# Altium PCB PCB1.PcbDoc (part 2 of 2)
Units mm, origin at the board's own origin, x right, y up, seen from the top; angles counter-clockwise.
Board outline 42.3 x 42.3 mm, 4 copper layers (Top Layer, GND, Int2 (PWR), Bottom Layer), stack 1.333 mm thick; 115 components, 83 nets, 434 pads, 150 vias.
Unrouted connection lines stored in the file: 19.
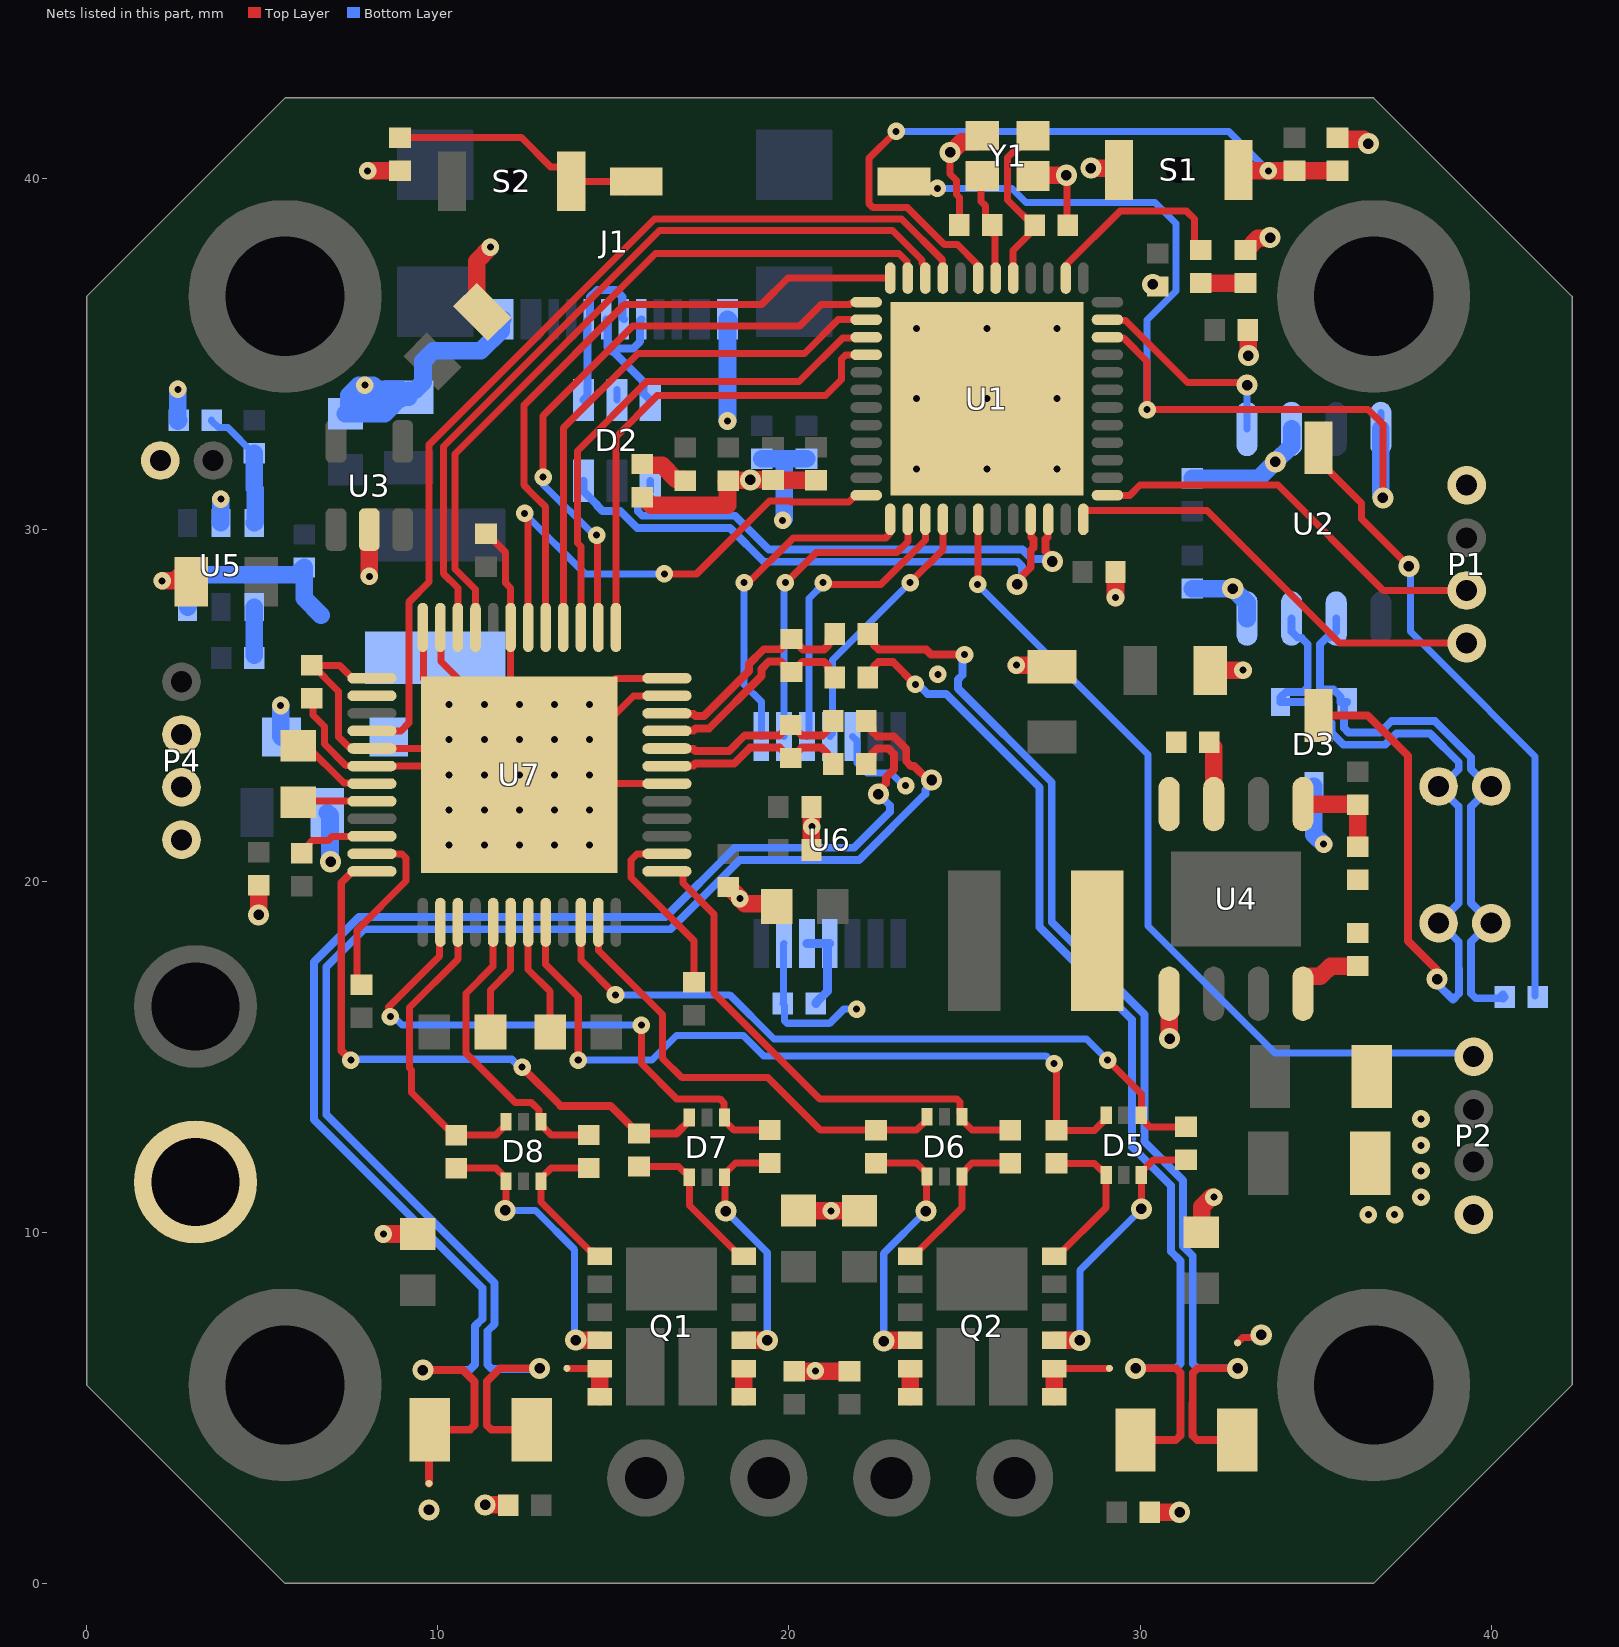
[diagram p4: the nets of this part, all layers, seen from the top]

## Via types
v1: diameter 0.5/0.5 (per signal layer), hole 0.2, Top Layer to Bottom Layer, 97 vias
v2: diameter 0.6/0.6 (per signal layer), hole 0.3, Top Layer to Bottom Layer, 43 vias
v3: diameter 0.5, hole 0.2, Top Layer to Bottom Layer, 8 vias
v4: diameter 0.65/0.65 (per signal layer), hole 0.65, Top Layer to Bottom Layer, 2 vias

## Nets (pads, with @x,y where several pads share a name; then routed paths per layer and width w, separated by ;. In a path a pad name is that pad's centre, name@x,y a point inside that pad or via, vN(x,y) a via of type N, cw(c..) or ccw(c..) an arc to the next point about the centre after c; other vN are vias at no path point) (continued)
BUCK1_FB: R12.1 R13.2 U5.3 | length 3.6
  Bottom Layer w0.2: R13.2@3.561,33.125 3.561,33.105 3.751,32.915 4.02,32.915 4.755,32.18 R12.1@4.775,32.18
  Bottom Layer w0.5: U5.3@4.775,30.2 4.8,30.225 4.8,31.159 4.775,31.183 4.775,32.14 R12.1@4.775,32.18
BUCK1_SHDN: R8.1 U5.4 | length 1.4
  Bottom Layer w0.5: R8.1@4.775,26.425 U5.4@4.775,27.8
BUCK1_SW: C19.1 D4.1 L2.1 U5.6 | length 5.7
  Bottom Layer w0.5: U5.6@2.875,27.8 2.9,27.825 2.9,28.428 3.197,28.725 5.975,28.725 6.14,28.89 6.16,28.89 C19.1@6.2,28.93 6.2,28.725 6.2,28.05 6.675,27.575
BUCK2_BOOT: C20.2 U4.7 | length 1.8
  Top Layer w0.5: C20.2@31.97,23.956 31.97,23.936 32.098,23.808 U4.7@32.098,22.192
BUCK2_FB: R10.1 R11.2 U4.5 | length 2.8
  Top Layer w0.5: U4.5@34.638,22.192 34.646,22.184 36.19,22.184 R10.1@36.197,22.177 R11.2@36.197,20.973
BUCK2_SW: C20.1 L1.1 U4.8
CA1: C36.1 U7.42 | length 3.4
  Top Layer w0.2: C36.1@11.537,15.663 C36.1@11.5,15.7 11.5,16.9 12.074,17.474 U7.42@12.074,18.825
CA2: C34.1 U7.35 | length 5.2
  Top Layer w0.2: C34.1@7.7,17.07 7.7,18.6 9.1,20 9.1,20.658 8.983,20.775 U7.35@8.124,20.775
CAN_FD_RX: SW2.2 U1.46 U2.4 | length 28.1
  Top Layer w0.2: SW2.2@23.274,39.917 23.466,39.725 v1(24.225,39.725) ; U1.46@29.071,35.486 29.09,35.467 29.533,35.467 30.2,34.8 v1(30.2,33.425) 36.495,33.425 36.912,33.008 v2(36.912,30.912)
  Bottom Layer w0.2: v1(24.225,39.725) 26.35,39.725 26.749,39.326 30.426,39.326 31.025,38.728 31.025,36.805 30.2,35.98 v1(30.2,33.425) ; U2.4@36.855,32.875 U2.4@36.855,33.35
  Bottom Layer w0.5: U2.4@36.855,32.875 36.855,30.968 v2(36.912,30.912)
CAN_FD_TX: U1.47 U2.1 | length 6
  Top Layer w0.2: U1.47@29.071,35.986 29.09,35.967 29.583,35.967 31.348,34.202 32.973,34.202 v2(33.05,34.125)
  Bottom Layer w0.2: U2.1@33.045,32.875 33.045,33.394 33.048,33.396 33.048,34.123 v2(33.05,34.125)
CAN_N: D3.2 J2.2 J3.2 R7.1 U2.6 | length 17.2
  Bottom Layer w0.225: U2.6@35.585,27.475 35.585,27.102 35.412,26.928 35.308,26.928 35.125,26.745 35.125,26.414 35.125,25.45 35.507,25.45 35.713,25.245 35.713,25.1 D3.2@35.9,25.1 35.806,25.006 35.806,24.362 35.938,24.231 36.832,24.231 37.154,24.553 38.397,24.553 39.425,23.525 39.425,23.187 39.919,22.694 J2.2@40,22.694 39.425,22.119 39.425,20.572 39.425,19.375 J3.2@40,18.8 39.954,18.8 39.425,18.271 39.425,17.643 39.428,17.64 39.428,16.794 39.559,16.663 40.223,16.663 40.33,16.77 40.33,16.65 R7.1@40.38,16.7
CAN_P: D3.1 J2.1 J3.1 SW1.1 U2.7 | length 28.1
  Top Layer w0.225: SW1.1@35.075,24.715 36.481,24.715 37.631,23.565 37.631,18.29 38.456,17.465 v2(38.456,17.207)
  Bottom Layer w0.225: U2.7@34.315,27.475 34.315,27.102 34.488,26.928 34.592,26.928 34.775,26.745 34.775,26.559 34.775,25.519 34.643,25.388 34.162,25.388 34,25.225 D3.1@34,25.1 35.362,25.1 35.362,24.591 35.456,24.498 35.456,24.218 35.793,23.881 36.977,23.881 37.299,24.203 38.253,24.203 39.075,23.38 39.075,23.187 38.581,22.694 J2.1@38.5,22.694 39.075,22.119 39.075,20.717 39.075,19.375 J3.1@38.5,18.8 38.546,18.8 39.075,18.271 39.075,17.498 39.077,17.495 39.077,16.794 38.908,16.625 38.5,17.033 v2@38.5,17.267
CB1: C33.1 U7.2 | length 5.3
  Top Layer w0.2: U7.2@16.524,20.775 15.675,20.775 15.5,20.6 15.5,20.1 17.3,18.3 C33.1@17.3,17.135
CB2: C35.1 U7.43 | length 3.7
  Top Layer w0.2: U7.43@12.574,18.825 12.574,17.487 13.2,16.861 C35.1@13.2,15.7 13.174,15.674 13.2,15.649 13.1,15.549 C35.1@13.2,15.449
CPI: C31.2 U7.32 | length 2.2
  Top Layer w0.2: C31.2@5.754,22.386 C31.2@5.94,22.2 ; C31.2@6.22,22.251 6.244,22.275 U7.32@8.124,22.275
CPO: C31.1 U7.31 | length 2.3
  Top Layer w0.2: C31.1@6.22,23.851 6.27,23.851 7.327,22.794 8.105,22.794 U7.31@8.124,22.775
D_N: D2.1 D2.6 J1.A7 J1.B7 U1.33 | length 21.1
  Top Layer w0.225: v2(26.5,28.45) 26.5,28.549 26.888,28.937 26.888,29.419 26.961,29.492 26.961,29.736 26.9,29.797 26.9,30.286 U1.33@26.886,30.301
  Bottom Layer w0.225: D2.6@14.15,31.4 14.15,31.1 14.532,30.718 14.532,30.697 14.691,30.537 15.198,30.537 15.681,30.054 18.321,30.054 19.282,29.093 26.507,29.093 26.639,28.961 26.639,28.69 26.5,28.551 v2(26.5,28.45) ; D2.1@14.15,33.7 14.263,33.813 14.263,35.963 J1.B7@14.3,36 14.337,36.037 14.337,36.634 14.541,36.838 15.059,36.838 15.263,36.634 15.263,36.037 J1.A7@15.3,36
D_P: D2.3 D2.4 J1.A6 J1.B6 U1.34 | length 19.3
  Top Layer w0.225: U1.34@27.386,30.301 27.371,30.286 27.371,29.797 27.311,29.736 27.311,29.391 27.5,29.201 v2(27.5,29.1)
  Bottom Layer w0.225: J1.A6@14.8,36 14.837,35.963 14.837,35.366 ; 14.964,35.086 14.837,35.212 14.837,35.366 ; 14.977,35.098 15.863,34.212 15.863,33.887 D2.3@16.05,33.7 ; J1.B6@15.8,36 15.763,35.963 15.763,35.366 15.559,35.162 15.041,35.162 14.914,35.289 14.837,35.366 ; D2.4@16.05,31.4 16.05,31.1 15.694,30.744 15.694,30.536 15.826,30.404 18.466,30.404 19.427,29.443 26.652,29.443 26.923,29.172 27.428,29.172 v2(27.5,29.1)
DIAG0: U7.26
ENC_A: P4.1
ENC_B: P4.2 | length 0.3
  Top Layer w0.2: P4.2@2.703,22.675 P4.2@2.703,22.928
ENC_CS: U1.25 U6.1 | length 9.7
  Top Layer w0.2: v1(18.725,28.5) 18.85,28.5 20.125,29.775 22.758,29.775 22.875,29.892 22.875,30.29 U1.25@22.886,30.301
  Bottom Layer w0.2: v1(18.725,28.5) 18.725,25.6 19.213,25.112 U6.1@19.213,24.12
ENC_I: P4.3
ENC_MISO: U1.27 U6.3 | length 8.6
  Top Layer w0.2: v1(20.976,28.5) 21.025,28.451 22.624,28.451 23.886,29.714 U1.27@23.886,30.301
  Bottom Layer w0.2: U6.3@20.513,24.12 20.569,24.176 20.569,28.044 20.976,28.451 v1(20.976,28.5)
ENC_MOSI: U1.28 U6.4 | length 7.5
  Top Layer w0.2: v1(23.45,28.5) 24.386,29.436 U1.28@24.386,30.301
  Bottom Layer w0.2: U6.4@21.163,24.12 21.243,24.199 21.243,26.293 v1(23.45,28.5)
ENC_SCK: U1.26 U6.2 | length 9
  Top Layer w0.2: v1(19.9,28.5) 19.925,28.5 20.775,29.35 23.063,29.35 23.386,29.673 U1.26@23.386,30.301
  Bottom Layer w0.2: U6.2@19.863,24.12 19.863,28.438 19.9,28.475 v1(19.9,28.5)
FAN_PWM: P2.1 U1.30 | length 24.4
  Top Layer w0.2: v1(25.375,28.45) 25.386,28.461 U1.30@25.386,30.301
  Bottom Layer w0.2: v1(25.375,28.45) 30.225,23.6 30.225,18.722 33.847,15.1 P2.1@39.525,15.1
G1: D5.1 Q2.1 R21.2 | length 4.6
  Top Layer w0.2: Q2.1@27.55,9.318 27.65,9.318 29.036,10.703 D5.1@29.036,11.629 29.036,11.719 28.976,11.779 28.886,11.779 28.706,11.959 R21.2@27.62,11.959
G1_2: D7.1 Q1.1 R17.2 | length 4.6
  Top Layer w0.2: R17.2@15.729,11.873 16.86,11.873 17.015,11.718 17.105,11.718 17.165,11.658 D7.1@17.165,11.568 17.165,10.76 18.607,9.318 Q1.1@18.707,9.318
G2: D5.3 Q2.4 R16.2 | length 7.7
  Top Layer w0.2: v2(30.036,10.664) D5.3@30.036,11.629 30.036,11.719 30.376,12.059 R16.2@31.311,12.059
  Top Layer w0.5: Q2.4@27.55,6.918 v2(28.282,6.918) v2@28.3,6.9
  Bottom Layer w0.2: v2(28.282,6.918) 28.282,8.911 v2(30.036,10.664)
G2_2: D7.3 Q1.4 R20.2 | length 7.4
  Top Layer w0.2: v2(18.2,10.6) 18.182,10.618 18.182,11.55 D7.3@18.165,11.568 18.165,11.658 18.48,11.973 R20.2@19.454,11.973
  Top Layer w0.5: Q1.4@18.707,6.918 v2(19.382,6.918) v2@19.4,6.9
  Bottom Layer w0.2: v2(18.2,10.6) 19.382,9.418 v2(19.382,6.918)
G3: D6.1 Q2.9 R22.2 | length 7.6
  Top Layer w0.2: R22.2@22.478,11.967 23.638,11.967 D6.1@23.928,11.677 ; v2(23.9,10.6) 23.914,10.614 23.914,11.573 D6.1@23.928,11.587 D6.1@23.928,11.497
  Top Layer w0.5: v2(22.7,6.9) 22.718,6.918 Q2.9@23.45,6.918
  Bottom Layer w0.2: v2(22.7,6.9) 22.7,9.4 v2(23.9,10.6)
G3_2: D8.1 Q1.9 R19.2 | length 8.2
  Top Layer w0.2: R19.2@10.525,11.823 11.658,11.823 11.94,11.54 D8.1@11.94,11.45 11.94,10.64 v2(11.92,10.62) v2@11.9,10.6
  Top Layer w0.5: v2(13.93,6.93) 13.942,6.918 Q1.9@14.607,6.918
  Bottom Layer w0.2: v2(11.92,10.62) 12.78,10.62 13.9,9.5 13.9,6.959 v2(13.93,6.93)
G4: D6.3 Q2.12 R23.2 | length 4.5
  Top Layer w0.2: Q2.12@23.45,9.318 23.55,9.318 24.928,10.696 D6.3@24.928,11.587 24.928,11.677 25.218,11.967 R23.2@26.303,11.967
G4_2: D8.3 Q1.12 R18.2 | length 4.3
  Top Layer w0.2: D8.3@12.94,11.45 12.94,10.86 14.332,9.468 14.457,9.468 Q1.12@14.607,9.318 ; D8.3@12.94,11.54 13.223,11.823 R18.2@14.205,11.823
GND: C1.1 C2.2 C3.2 C4.1 C5.1 C6.1 C7.1 C8.1 C9.1 C10.2 C11.1 C12.2 C13.1 C14.2 C15.2 C16.2 C17.2 C18.2 C21.2 C22.2 C23.2 C24.2 C25.2 C26.1 C27.1 C27.2 C28.1 C29.1 C30.1 C39.2 C40.2 C41.1 C42.1 C43.1 C44.1 C45.1 C46.1 C47.1 D2.2 D3.3 D4.2 J1.A1B12 J1.A12B1 J4.2 J5.2 LD1.2 LD2.2 NT3.2 NT4.2 P1.1 P2.4 R2.2 R9.1 R11.1 R13.1 R15.2 S1.2 U1.0 U2.2 U2.8 U3.2 U4.1 U5.2 U6.5 U6.13 U7.6 U7.11 U7.12 U7.19 U7.23 U7.24 U7.25 U7.29 U7.30 U7.49 Y1.2 Y1.4 | length 103.7
  Top Layer w0.2: v1@2.093,28.493 v1(2.15,28.55) ; C27.1@6.41,25.205 6.446,25.169 6.446,24.732 6.775,24.404 6.775,23.9 7.381,23.294 8.105,23.294 U7.30@8.124,23.275 10.074,23.275 v1(10.324,23.025) ; C27.2@6.41,26.145 C27.2@6.43,26.145 ; U7.25@8.124,25.775 7.574,25.775 7.204,26.145 C27.2@6.43,26.145 ; U7.24@9.574,27.225 9.593,27.206 9.593,26.485 9.599,26.479 9.599,25.75 v1(10.324,25.025) ; U7.23@10.074,27.225 10.093,27.206 10.093,26.256 v1(11.324,25.025) ; v1(10.324,24.025) 10.074,23.775 7.547,23.775 7.497,23.825 7.459,23.825 7.174,24.109 7.174,25.401 C27.2@6.43,26.145 ; C30.1@11.5,29.79 11.935,29.355 11.935,28.49 12.074,28.351 U7.19@12.074,27.225 12.074,25.275 v1(12.324,25.025) ; v1(14.324,23.025) 14.574,22.775 U7.6@16.524,22.775 ; v1(14.324,24.025) 15.574,25.275 U7.11@16.524,25.275 ; v1(14.324,25.025) 15.074,25.775 U7.12@16.524,25.775 ; v2(24.592,40.75) 24.592,40.136 24.775,39.953 24.775,39.546 24.853,39.468 C2.2@24.853,38.686 ; v2(27.9,40.1) 27.922,40.078 27.922,38.697 C3.2@27.945,38.675 ; NT4.2@32.775,6.85 32.923,6.998 33.373,6.998 v2(33.45,7.075)
  Top Layer w0.5: v1(2.15,28.55) 2.51,28.55 2.73,28.77 C14.2@2.975,28.525 ; v2(4.9,19.039) C39.2@4.9,19.88 ; v1(8,40.225) 8.92,40.225 R2.2@8.925,40.23 ; v1(8.05,28.675) U3.2@8.05,30.009 ; v1(8.45,9.95) C43.1@9.429,9.95 ; C18.2@11.264,36.207 11.105,36.366 11.105,37.655 v1(11.5,38.05) ; v2(11.349,2.238) 11.992,2.238 C45.1@12.005,2.225 ; C10.2@18.215,31.365 18.255,31.405 C10.2@18.275,31.405 ; C29.1@18.275,19.83 18.295,19.83 18.6,19.525 v1(18.6,19.5) 18.743,19.357 19.568,19.357 R15.2@19.65,19.275 ; C47.1@20.15,6.044 C44.1@21.725,6.044 ; C42.1@20.4,10.6 20.406,10.606 v3(21.202,10.606) 21.998,10.606 C41.1@22.004,10.613 ; C25.2@20.641,20.886 C28.1@20.641,22.11 ; C9.1@20.772,31.411 20.716,31.411 20.712,31.416 19.552,31.416 C12.2@19.547,31.421 19.545,31.423 18.902,31.423 v2(18.9,31.425) 18.89,31.415 18.285,31.415 C10.2@18.275,31.405 ; v2(24.592,40.75) 24.619,40.75 24.919,41.05 25.325,41.05 Y1.2@25.5,41.225 ; v1(26.475,26.15) 27.459,26.15 27.5,26.109 C23.2@27.496,26.104 ; Y1.4@26.95,40.075 26.975,40.1 v2(27.9,40.1) ; v2(28.6,40.3) 29.349,40.3 S1.2@29.399,40.25 ; v1(29.3,28.075) C5.1@29.3,28.8 ; C46.1@30.27,2.025 v2(31.125,2.025) ; v2(30.361,36.99) 30.406,36.945 30.485,36.945 C4.1@30.5,36.93 ; v2@30.825,15.5 30.828,15.503 U4.1@30.828,16.792 ; C40.2@31.74,10 31.75,10.01 31.75,10.725 32.025,11 v1(32.1,11) ; C21.2@32,26 32.009,26.009 v1(32.93,26.009) ; LD1.2@33,37.97 33.02,37.97 33.356,38.306 33.681,38.306 v2(33.7,38.325) ; C7.1@33.07,35.691 C7.1@33.085,35.676 ; v2(33.085,34.965) C7.1@33.085,35.676 ; C7.1@33.11,35.651 C7.1@33.085,35.676 ; C1.1@35.624,41.17 35.664,41.13 36.37,41.13 v2(36.5,41) ; LD2.2@15.886,30.895 16.081,30.7 18.25,30.7 18.25,31.38 C10.2@18.275,31.405 ; LD2.2@15.886,30.895 15.846,30.935 LD2.2@15.826,30.935 15.866,30.895 LD2.2@15.886,30.895
  Bottom Layer w0.2: D2.2@15.1,33.7 D2.2@15.1,34 ; U6.13@19.863,18.22 19.845,18.202 19.845,16.529 C26.1@19.828,16.511 19.878,16.461 19.878,16.018 19.945,15.951 21.161,15.951 21.56,16.35 v1(21.925,16.35) ; U6.5@21.813,24.12 21.938,23.995 21.938,23.366 22.23,23.075 22.902,23.075 23.259,22.717 v1(23.322,22.717)
  Bottom Layer w0.5: R13.1@2.595,33.099 R13.1@2.621,33.125 2.6,33.146 v1(2.6,34) ; U5.2@3.825,30.2 3.8,30.225 3.825,30.25 v1(3.825,30.875) ; v1(5.525,25) 5.525,24.127 D4.2@5.55,24.102 ; C16.2@6.85,21.948 6.931,21.867 6.931,20.569 v2(6.95,20.55) ; C24.2@7.475,33.457 7.492,33.457 7.925,33.89 v1(7.925,34.125) ; C22.2@8.925,33.725 C22.2@8.975,33.775 ; J1.A1B12@11.85,36 11.8,35.95 11.8,35.675 11.225,35.1 9.871,35.1 9.579,34.807 9.579,34.2 9.354,33.975 9.175,33.975 C22.2@9.075,33.875 ; v1(18.251,33.102) J1.A12B1@18.25,36 J1.A12B1@18.3,35.95 ; C11.1@19.225,32.03 19.863,32.03 ; v1(19.819,30.269) 19.863,30.313 19.863,32.03 ; C13.1@20.5,32.03 19.863,32.03 ; C8.1@31.486,28.33 v2(32.638,28.33) 33.045,27.923 U2.8@33.045,27.475 ; C6.1@31.486,31.47 33.385,31.47 v2(33.85,31.935) 34.315,32.4 U2.2@34.315,32.875 ; D3.3@34.95,22.7 34.95,21.325 v1(35.225,21.05) ; C24.2@7.421,33.311 8.486,33.311 C22.2@8.95,33.775 ; C24.2@7.421,33.311 7.885,33.775 C22.2@8.95,33.775 ; C24.2@7.421,33.311 C24.2@7.371,33.311 7.461,33.401 7.461,33.832 7.753,34.125 v1(7.925,34.125) ; v1(7.925,34.125) 8.161,34.125 8.286,34 ; v1(7.925,34.125) 8.05,34 8.286,34 ; 8.286,34 8.95,34 C22.2@9.075,33.875 ; C22.2@8.95,33.775 9.05,33.875 C22.2@9.075,33.875 ; C22.2@8.95,33.775 C22.2@8.975,33.775 ; C22.2@8.975,33.775 C22.2@9.075,33.875 ; C22.2@8.975,33.775 C22.2@9.175,33.775 C22.2@9.075,33.875
  other v1: 20.75,6.05 10.324,21.025 11.324,21.025 12.324,21.025 13.324,21.025 14.324,21.025 20.65,21.55 10.324,22.025 11.324,22.025 12.324,22.025 13.324,22.025 14.324,22.025 11.324,23.025 12.324,23.025 13.324,23.025 11.324,24.025 12.324,24.025 13.324,24.025 13.324,25.025 24.238,25.887
  other v2: 9.75,2.096 30.838,15.513
  other v3: 36.5,10.5 37.25,10.5 38,11 38,11.75 38,12.475 38,13.225
HA1: D8.4 R18.1 U7.41 | length 8.6
  Top Layer w0.2: U7.41@11.574,18.825 11.574,17.574 10.8,16.8 10.8,15.096 12.196,13.7 12.656,13.7 12.88,13.476 12.88,13.21 D8.4@12.94,13.15 12.94,13.06 13.238,12.763 R18.1@14.205,12.763
HA2: D7.6 R17.1 U7.36 | length 16.9
  Top Layer w0.225: v1(7.525,14.9) 7.253,15.172 7.253,19.953 7.55,20.251 8.1,20.251 U7.36@8.124,20.275 ; v1(12.4,14.7) 13.5,13.6 14.922,13.6 15.709,12.813 R17.1@15.729,12.813 16.8,12.813 17.165,13.178 D7.6@17.165,13.268
  Bottom Layer w0.225: v1(7.525,14.9) 7.55,14.925 12.106,14.925 12.331,14.7 v1(12.4,14.7)
HB1: D6.4 R23.1 U7.1 | length 14.6
  Top Layer w0.2: U7.1@16.524,20.275 16.934,20.275 16.98,20.229 16.98,19.945 17.86,19.065 17.86,16.815 20.888,13.787 24.791,13.787 24.868,13.71 24.868,13.347 D6.4@24.928,13.287 24.928,13.197 25.218,12.907 R23.1@26.303,12.907
HB2: D5.6 R21.1 U7.44 | length 22.1
  Top Layer w0.2: U7.44@13.074,18.825 13.074,17.626 14,16.7 v1(14,14.9) ; v1(27.55,14.8) 27.62,14.73 R21.1@27.62,12.899 28.696,12.899 29.036,13.239 D5.6@29.036,13.329
  Bottom Layer w0.2: v1(14,14.9) 16.1,14.9 16.8,15.6 18.7,15.6 19.275,15.025 27.325,15.025 v1(27.55,14.8)
LA1: D8.6 R19.1 U7.39 | length 8.8
  Top Layer w0.2: U7.39@10.574,18.825 10.574,17.774 9.2,16.4 9.2,14.674 9.25,14.624 9.25,13.976 10.464,12.763 R19.1@10.525,12.763 11.643,12.763 11.94,13.06 D8.6@11.94,13.15
LA2: D7.4 R20.1 U7.38 | length 16.4
  Top Layer w0.2: v1(8.65,16.139) 8.6,16.189 8.6,16.407 10.055,17.862 10.055,18.806 U7.38@10.074,18.825 ; v1(15.8,15.9) 15.8,14.8 16.8,13.8 18.028,13.8 18.145,13.683 18.145,13.287 D7.4@18.165,13.268 18.165,13.178 18.43,12.913 R20.1@19.454,12.913
  Bottom Layer w0.2: v1(8.65,16.139) 8.742,16.139 8.981,15.9 v1(15.8,15.9)
LB1: D6.6 R22.1 U7.47 | length 13.2
  Top Layer w0.2: U7.47@14.574,18.825 14.574,18.026 16.4,16.2 16.4,14.951 16.951,14.4 19.4,14.4 20.893,12.907 R22.1@22.478,12.907 23.638,12.907 23.928,13.197 D6.6@23.928,13.287
LB2: D5.4 R16.1 U7.46 | length 20.7
  Top Layer w0.2: U7.46@14.074,18.825 14.074,17.748 v1(15.061,16.761) ; v1(29.075,14.9) 30.036,13.939 D5.4@30.036,13.329 30.036,13.239 30.276,12.999 R16.1@31.311,12.999
  Bottom Layer w0.2: v1(15.061,16.761) 18.314,16.761 19.575,15.5 28.475,15.5 v1(29.075,14.9)
LED: R6.2 U1.2 | length 5.7
  Top Layer w0.2: U1.2@27.886,37.171 27.905,37.19 27.905,37.556 29.424,39.075 31.325,39.075 31.55,38.85 31.55,38.144 R6.2@31.724,37.97
NetC26_2: C26.2 U6.11 U6.12 | length 2.5
  Bottom Layer w0.25: U6.12@20.513,18.22 U6.11@21.163,18.22 21.1,18.157 21.1,16.863 20.767,16.531 C26.2@20.767,16.511
NetLD1_1: LD1.1 R6.1 | length 1.3
  Top Layer w0.5: R6.1@31.724,37.03 LD1.1@33,37.03
NetLD2_1: LD2.1 R5.2 | length 1.4
  Top Layer w0.5: LD2.1@15.826,31.875 15.866,31.835 16.39,31.835 16.78,31.445 17.01,31.445 R5.2@17.05,31.405
NetNT1_2: NT1.2 Q1.5 Q1.6 Q1.7 Q1.8 | length 2.5
  Top Layer w0.2: NT1.2@13.7,6.125 14.6,6.125 Q1.8@14.607,6.118
  Top Layer w0.5: Q1.7@14.607,5.318 Q1.8@14.607,6.118 ; Q1.6@18.707,5.318 Q1.5@18.707,6.118
NetNT2_2: NT2.2 Q2.5 Q2.6 Q2.7 Q2.8 | length 3.2
  Top Layer w0.2: Q2.5@27.55,6.118 27.557,6.125 NT2.2@29.125,6.125
  Top Layer w0.5: Q2.7@23.45,5.318 Q2.8@23.45,6.118 ; Q2.6@27.55,5.318 Q2.5@27.55,6.118
NetR7_2: R7.2 SW1.2 | length 18.2
  Top Layer w0.2: SW1.2@35.075,32.335 35.075,31.985 36.312,30.748 36.312,30.309 v2(37.656,28.965)
  Bottom Layer w0.2: v2@37.7,29.025 37.7,27.102 38.324,26.479 38.664,26.138 41.25,23.552 R7.2@41.25,16.73
NetR9_2: R9.2 U4.4 | length 2.1
  Top Layer w0.5: U4.4@34.638,16.792 34.638,17.24 34.684,17.286 35.132,17.286 35.426,17.58 R9.2@36.197,17.58
NRST: C1.2 R1.1 S1.1 U1.7 | length 20.3
  Top Layer w0.2: v1(23.05,41.35) 22.274,40.574 22.274,39.292 22.391,39.175 23.375,39.175 24.424,38.126 24.796,38.126 25.336,37.586 25.336,37.548 25.386,37.498 U1.7@25.386,37.171
  Top Layer w0.5: S1.1@32.799,40.25 32.82,40.229 R1.1@34.4,40.229 C1.2@35.488,40.229
  Bottom Layer w0.2: v1(23.05,41.35) 32.525,41.35 v1(33.65,40.225)
O_IN: C3.1 U1.5 Y1.1 | length 5
  Top Layer w0.2: U1.5@26.386,37.171 26.386,37.961 27.005,38.58 27.005,38.6 27.005,38.62 26.225,39.4 26.225,40.604 26.371,40.75 26.425,40.75 26.9,41.225 Y1.1@26.95,41.225
O_OUT: C2.1 U1.6 Y1.3 | length 3.1
  Top Layer w0.2: Y1.3@25.472,40.047 25.472,39.35 25.603,39.219 25.603,38.876 C2.1@25.793,38.686 25.867,38.613 25.867,37.19 U1.6@25.886,37.171
  Top Layer w0.5: Y1.3@25.472,40.047 Y1.3@25.5,40.075 ; C2.1@25.768,38.611 C2.1@25.796,38.638
PB8_BOOT0: R2.1 S2.2 SW2.1 | length 8.4
  Top Layer w0.2: R2.1@8.925,41.17 12.38,41.17 13.217,40.333 13.5,40.333 13.8,40.033 S2.2@13.8,39.925 ; S2.2@14.1,39.342 13.8,39.642 S2.2@13.8,39.925 ; SW2.1@15.354,39.617 SW2.1@15.654,39.917 13.808,39.917 S2.2@13.8,39.925
SD_MODE: U1.11 U7.21 | length 21
  Top Layer w0.2: U7.21@11.074,27.225 11.074,28.302 10.49,28.886 10.49,32.165 16.196,37.871 23.139,37.871 23.367,37.643 23.367,37.19 U1.11@23.386,37.171
SPI_MODE: U1.10 U7.22 | length 22.4
  Top Layer w0.2: U7.22@10.574,27.225 10.574,28.343 10.165,28.752 10.165,32.38 16.31,38.525 22.944,38.525 23.786,37.683 23.786,37.598 23.886,37.498 U1.10@23.886,37.171
SRAH_N: C38.1 NT3.1 R27.1 R27.2 R29.1 U7.7 | length 47.6
  Top Layer w0.225: v2(9.575,6.075) 10.721,6.075 11.046,5.75 11.046,4.507 10.914,4.375 R29.1@9.771,4.375 9.75,4.354 NT3.1@9.75,2.846 ; U7.7@16.524,23.275 16.539,23.289 17.278,23.289 17.339,23.35 18.439,23.35 18.889,23.8 19.735,23.8 20.03,23.505 C38.1@20.05,23.505 20.07,23.505 20.365,23.8 20.927,23.8 21.087,23.64 21.087,23.512 R27.1@21.265,23.334 ; R27.2@22.205,23.334 22.382,23.512 22.382,23.64 22.514,23.772 22.832,23.772 22.99,23.614 22.99,23.181 22.759,22.95 22.759,22.786 22.55,22.576 v2(22.55,22.475)
  Bottom Layer w0.225: v2(9.575,6.075) 10.906,6.075 11.063,6.232 11.063,7.327 11.269,7.534 11.269,8.411 6.475,13.205 6.475,17.695 7.758,18.978 16.483,18.978 18.455,20.95 21.855,20.95 22.874,21.969 22.874,22.156 22.555,22.475 v2(22.55,22.475) v2@22.622,22.403
SRAH_P: C38.2 NT1.1 R26.1 R26.2 R29.2 U7.8 | length 46.7
  Top Layer w0.225: 12.587,6.125 11.771,6.125 11.396,5.75 11.396,4.507 11.528,4.375 R29.2@12.671,4.375 ; U7.8@16.524,23.775 16.539,23.761 17.278,23.761 17.339,23.7 18.294,23.7 18.744,24.15 19.735,24.15 20.03,24.445 C38.2@20.05,24.445 20.07,24.445 20.365,24.15 20.956,24.15 21.087,24.282 21.087,24.382 R26.1@21.265,24.559 ; R26.2@22.205,24.559 22.382,24.382 22.382,24.254 22.514,24.122 22.977,24.122 23.34,23.759 23.34,23.412 23.472,23.28 23.563,23.28 23.965,22.878 v2(24.062,22.878)
  Bottom Layer w0.225: v2(12.9,6.125) 12.875,6.1 11.544,6.1 11.413,6.232 11.413,7.182 11.619,7.389 11.619,8.556 6.825,13.35 6.825,17.55 7.903,18.628 16.628,18.628 18.6,20.6 22,20.6 23.884,22.484 23.884,22.598 24.062,22.776 v2(24.062,22.878)
SRBH_N: C37.1 NT4.1 R25.1 R25.2 R28.1 U7.10 | length 38.1
  Top Layer w0.225: U7.10@16.524,24.775 16.539,24.761 17.278,24.761 17.339,24.7 17.583,24.7 18.866,25.983 18.866,26.183 19.283,26.6 19.76,26.6 20.055,26.895 C37.1@20.075,26.895 20.095,26.895 20.398,26.592 20.996,26.592 21.127,26.724 21.127,26.857 R25.1@21.305,27.034 ; R25.2@22.245,27.034 22.422,26.857 22.422,26.724 22.554,26.592 23.9,26.592 24.043,26.45 v1(25,26.45) ; R28.1@32.771,4.079 31.628,4.079 31.496,4.211 31.496,5.13 31.5,5.134 31.5,5.993 31.632,6.125 v2(32.775,6.125)
  Bottom Layer w0.225: v1(25,26.45) 24.947,26.397 24.947,25.873 24.815,25.741 24.815,25.482 27.483,22.814 27.483,18.837 30.122,16.197 30.122,12.578 31.225,11.475 31.225,9.6 31.5,9.325 31.5,6.257 31.632,6.125 v2(32.775,6.125)
SRBH_P: C37.2 NT2.1 R24.1 R24.2 R28.2 U7.9 | length 36.7
  Top Layer w0.225: U7.9@16.524,24.275 16.539,24.289 17.278,24.289 17.339,24.35 17.728,24.35 19.216,25.838 19.216,26.038 19.427,26.25 19.76,26.25 20.055,25.955 C37.2@20.075,25.955 20.095,25.955 20.382,26.242 20.996,26.242 21.127,26.11 21.127,25.977 R24.1@21.305,25.8 ; R24.2@22.245,25.8 22.422,25.977 22.422,26.11 22.554,26.242 22.958,26.242 v1(23.6,25.6) ; R28.2@29.871,4.079 31.014,4.079 31.146,4.211 31.146,5.275 31.15,5.279 31.15,5.993 31.018,6.125 v2(29.875,6.125)
  Bottom Layer w0.225: v1(23.6,25.6) 23.674,25.6 23.949,25.325 24.478,25.325 27.133,22.669 27.133,18.692 29.772,16.053 29.772,12.433 30.875,11.33 30.875,9.455 31.15,9.18 31.15,6.257 31.018,6.125 v2(29.875,6.125)
SWCLK: P1.3 U1.37 | length 11.6
  Top Layer w0.2: U1.37@29.071,30.986 29.711,30.986 30,31.275 33.925,31.275 36.925,28.275 P1.3@39.3,28.275
SWDIO: P1.4 U1.36 | length 12.7
  Top Layer w0.2: U1.36@28.386,30.301 28.386,30.504 28.432,30.55 31.9,30.55 35.675,26.775 P1.4@39.3,26.775
TMC_CS: U1.16 U7.13 | length 13.9
  Top Layer w0.2: U7.13@15.074,27.225 15.074,32.649 16.25,33.825 21.04,33.825 21.501,34.286 21.501,34.869 21.618,34.986 U1.16@22.201,34.986
TMC_DIR: U1.24 U7.18 | length 14.7
  Top Layer w0.2: v1(12.472,30.472) 12.574,30.37 U7.18@12.574,27.225 ; v1(16.45,28.75) 17.375,28.75 19.444,30.819 20.047,30.819 20.065,30.8 21.715,30.8 21.868,30.953 22.168,30.953 U1.24@22.201,30.986
  Bottom Layer w0.2: v1(12.472,30.472) 14.194,28.75 v1(16.45,28.75)
TMC_DRV_ENN: U1.9 U7.28 | length 27.6
  Top Layer w0.2: U7.28@8.124,24.275 8.95,24.275 9.174,24.499 9.174,27.941 9.75,28.516 9.75,32.425 16.175,38.85 23.209,38.85 24.367,37.692 24.367,37.19 U1.9@24.386,37.171
TMC_MISO: U1.14 U7.16 | length 15.6
  Top Layer w0.2: U7.16@13.574,27.225 13.574,32.899 15.7,35.025 20.44,35.025 21.401,35.986 U1.14@22.201,35.986
TMC_MOS: U1.15 U7.15 | length 14.6
  Top Layer w0.2: U7.15@14.074,27.225 14.074,29.523 13.974,29.623 13.974,32.249 15.95,34.225 20.29,34.225 21.532,35.467 22.182,35.467 U1.15@22.201,35.486
TMC_PWM: U1.12 U7.17 | length 18.5
  Top Layer w0.2: U7.17@13.074,27.225 13.074,30.648 12.7,31.022 12.45,31.272 12.45,33.55 15.325,36.425 19.225,36.425 19.971,37.171 U1.12@22.886,37.171
TMC_SCK: U1.13 U7.14 | length 17.3
  Top Layer w0.2: v1(13,31.5) 13,33.25 15.55,35.8 20.3,35.8 20.925,36.425 21.734,36.425 21.776,36.467 22.182,36.467 U1.13@22.201,36.486 ; v1(14.524,29.851) 14.555,29.82 14.555,27.244 U7.14@14.574,27.225
  Bottom Layer w0.2: v1(13,31.5) 13,31.296 14.446,29.851 v1(14.524,29.851)
VCP: C32.1 U7.34 | length 1.9
  Top Layer w0.2: C32.1@6.329,21.054 6.425,21.15 6.882,21.15 7.007,21.275 U7.34@8.124,21.275
pads on no net: D5.2 D5.5 D6.2 D6.5 D7.2 D7.5 D8.2 D8.5 J1.1 J1.2 J1.3 J1.4 J1.A5 J1.A8 J1.B5 J1.B8 MTH1.MTH MTH2.MTH MTH3.MTH MTH4.MTH P2.2 S1.3 S2.3 U1.3 U1.4 U1.8 U1.17 U1.18 U1.19 U1.22 U1.29 U1.31 U1.32 U1.38 U1.39 U1.40 U1.41 U1.42 U1.43 U1.44 U1.45 U3.4 U4.0 U4.6 U6.6 U6.7 U6.8 U6.9 U6.10 U6.14 U7.27
copper on no net: | length 0.3
  Top Layer w0.2: 29.071,33.486 29.398,33.486
  other v1: 31.233,18.492 32.233,18.492 33.233,18.492 34.233,18.492 31.233,19.492 32.233,19.492 33.233,19.492 34.233,19.492 31.233,20.492 32.233,20.492 33.233,20.492 34.233,20.492
  other v4: 12.15,37.075 17.95,37.075

## Polygon pours and split planes (outlines as drawn)
48V on Bottom Layer "48V_L04_P023" (solid, pour order 23): 0.6,25.5 6.51,25.5 6.471,15.545 9.5,10.913 9.5,6.675 0.6,6.675
5V on Bottom Layer "5V_L04_P000" (solid, pour order 0): 6.238,33.997 5.988,33.747 5.988,29.897 7.188,29.897 8.12,28.965 11.964,28.965 11.963,33.997
BUCK1_SW on Bottom Layer "BUCK1_SW_L04_P001" (solid, pour order 1): 11.95,27.143 7.9,28.125 6.475,28.125 6.475,23.749 7.155,23.069 11.95,23.068
48V on Top Layer "48V_L01_P014" (solid, pour order 14): 14.057,9.85 14.057,6.475 28.15,6.475 28.15,9.85
GND on Top Layer "GND_L01_P024" (solid, pour order 24): 35,16 35,10 38.5,10 38.5,16
48V on Top Layer "48V_L01_P013" (solid, pour order 13): 36,0.5 41.5,6 41.5,9.5 35.5,9.5 35.5,17.075 31.5,17.075 31.5,15.25 32.625,15.25 32.6,15.225 32.6,9.925 27.5,9.925 27.5,0.5
A1 on Top Layer "A1_L01_P012" (solid, pour order 12): 25.65,7.425 25.65,5.357 24.125,3.832 24.125,0.425 28.868,0.425 29.75,1.307 29.75,4.149 27.8,4.807 26.825,5.782 26.825,7.425
12V on Top Layer "NONET_L-01_P-001" (solid, pour order 22): 23.5,15.5 27,15.5 27,23.125 29.25,23.125 29.25,24.75 31.375,24.75 31.375,26.975 28.75,26.975 28.75,25.375 26.375,25.375 26.375,24.778 23.5,20.519
BUCK2_SW on Top Layer "NONET_L-01_P-001" (solid, pour order 21): 31.55,24.3 31.55,21 30.75,21 30.75,15.5 27.325,15.5 27.325,22.875 29.5,22.875 29.5,24.3
48V on Top Layer "48V_L01_P009" (solid, pour order 9): 7.95,12.325 9.925,10.35 14.521,10.35 14.521,0.5 5.867,0.5 0.6,6.011 0.6,21.375 7.95,21.375
B2 on Top Layer "B2_L01_P008" (solid, pour order 8): 15.212,4.85 15.212,7.35 16.487,7.35 16.487,4.788 17.575,3.7 17.575,0.4 12.6,0.4 12.6,4.375 13.987,4.85
B1 on Top Layer "B1_L01_P010" (solid, pour order 10): 16.868,7.407 16.868,4.732 17.9,3.7 17.9,0.475 21.1,0.475 21.1,4.857 18.018,4.857 17.993,4.882 17.993,7.407
A2 on Top Layer "A2_L01_P011" (solid, pour order 11): 24.225,7.332 24.225,4.932 21.2,4.932 21.2,0.4 24.5,0.4 24.5,3.857 25.4,4.757 25.4,7.332
GND on GND (split plane): 41.79,36.439 41.79,5.861 36.439,0.51 5.861,0.51 0.51,5.861 0.51,36.439 5.861,41.79 36.439,41.79
no net on Int2 (PWR) (split plane): 41.79,36.439 41.79,5.861 36.439,0.51 5.861,0.51 0.51,5.861 0.51,36.439 5.861,41.79 36.439,41.79

## Silkscreen, mask and mechanical layers (free items; w line width, h text height)
Mechanical 1:
  lines w0.127: 0,5.65 5.65,0 36.65,0 42.3,5.65 42.3,36.65 ; 0,5.65 0,5.65 ; 0,5.65 0,36.65 5.65,42.3 ; 5.65,42.3 5.65,42.3 ; 5.65,42.3 36.65,42.3 ; 36.65,42.3 42.3,36.65 ; 36.65,42.3 36.65,42.3 ; 42.3,36.65 42.3,36.65